# KiCad board 128CR.kicad_pcb (continued)
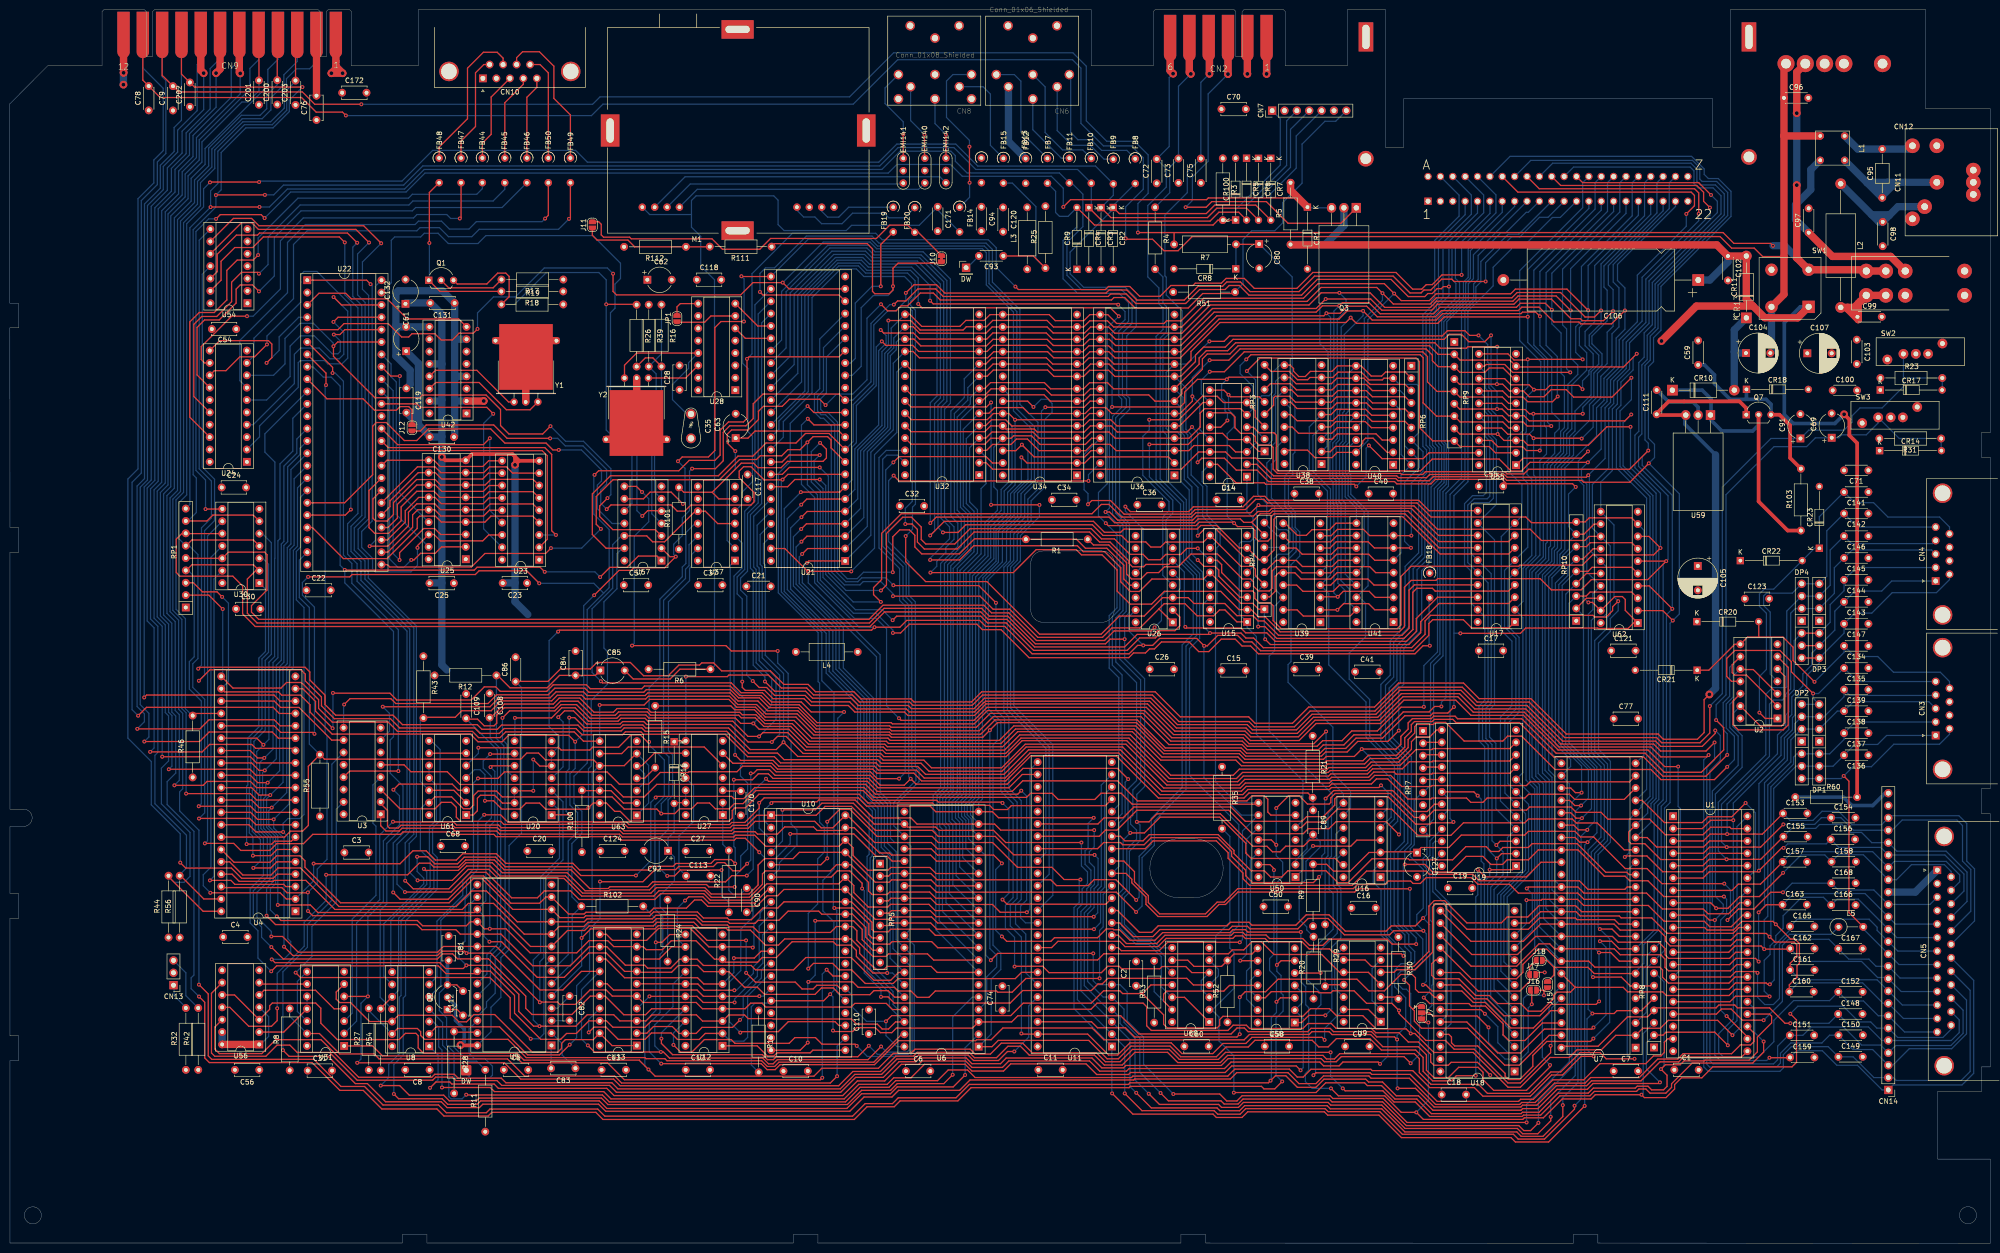
[diagram p0: board, top side]
## Routing (per net, layer and track width the routed paths; a pad name or vN(x,y) marks a point on that pad's centre or on a via; arc(x,y) is an arc through that point) (continued)
A11: length 563.8
  Top w0.25: U62.14 325.07,142.66 322.98,140.57 RP10.6 ; U3.3 80.11,89.24 87.3,89.24 88.63,90.57 90.65,90.57 91.68,89.54 91.68,87.52 92.53,86.67 100.8,86.67 101.43,86.04 126.23,86.04 126.9,85.37 147.9,85.37 148.38,85.84 151.28,85.84 153.35,87.92 U10.1 165.55,87.92 167.38,89.74 172.78,89.74 177.7,84.82 189.38,84.82 190.62,83.57 U6.18 202.32,83.57 206.1,79.79 222.68,79.79 v1(222.7,79.77) ; v1(322.68,92.57) 321.4,92.57 320.46,93.51 318.54,93.51 ; v1(236.25,30.86) 237.85,29.26 248.65,29.26 249.3,28.61 252.16,28.61 253.17,29.62 270.87,29.62 271.45,29.04 281.83,29.04 286.69,24.18 309.78,24.18 310.81,23.15 312.23,23.15 v1(313.81,24.73) ; 223.86,170.44 221.68,170.44 220.4,169.17 v1(206.38,169.17) 205.1,170.44 201.93,170.44 200.68,169.19 185.09,169.19 U32.23
  Bottom w0.25: RP10.6 319.88,138.87 319.88,137.19 318,135.32 318,102.69 322.68,98.02 v1(322.68,92.57) 320.69,90.58 320.69,36.13 313.81,29.25 v1(313.81,24.73) ; v1(236.25,30.86) 231.99,35.12 231.99,42.14 228.75,45.38 228.75,48.08 U11.5 224.47,50.58 221.28,53.77 221.28,67.64 222.6,68.97 222.6,72.82 223.43,73.64 223.43,79.04 v1(222.7,79.77) ; v1(206.38,169.17) 206.38,155.77 204.85,154.24 204.85,149.74 202.03,146.92 202.03,140.62 198.28,136.87 198.28,91.59 196.55,89.87 196.55,88.02 197.4,87.17 197.4,85.07 U6.18
A12: length 475.9
  Top w0.25: U36.2 237.84,161.54 221.93,161.54 220.67,160.28 U34.2 208.84,160.28 v1(207.68,161.44) ; v1(322.58,89.92) 321.28,89.92 320.23,90.97 318.54,90.97 ; v1(316.34,25.97) 316.34,25.15 313.69,22.5 310.58,22.5 309.5,23.58 286.45,23.58 281.65,28.38 271.19,28.38 270.64,28.93 253.26,28.93 252.24,27.91 248.77,27.91 248.16,28.52 236.02,28.52 v1(233.82,30.72) ; v1(222.63,84.87) 203.43,84.87 202.18,86.11 U6.19 186.26,86.11 185,87.37 177.23,87.37 173.55,91.04 166.08,91.04 165.73,90.69 156.63,90.69 v1(156.35,90.42) ; U62.5 332.96,138.84 324.83,138.84 324.01,138.03 RP10.5
  Bottom w0.25: v1(156.35,90.42) 154.75,88.82 154.75,86.93 U10.2 ; U6.19 198.9,86.31 197.23,87.98 197.23,89.69 198.93,91.39 198.93,136.54 202.48,140.09 202.48,146.47 205.45,149.44 205.45,153.99 207.68,156.22 v1(207.68,161.44) ; v1(316.34,25.97) 316.34,29.4 321.38,34.44 321.38,88.72 v1(322.58,89.92) 324.08,91.42 324.08,97.33 318.7,102.71 318.7,135.15 RP10.5 ; v1(222.63,84.87) 222.63,81.42 221.63,80.42 221.63,78.27 222.68,77.22 222.68,73.72 221.9,72.94 221.9,69.17 220.6,67.87 220.6,52.92 225.48,48.04 U11.4 227.93,46.36 227.93,45.15 231,42.08 231,33.54 v1(233.82,30.72)
A13: length 566.1
  Top w0.25: U36.26 221.98,162.82 220.7,161.54 210.28,161.54 v1(207.78,164.04) 206.56,162.82 U34.26 ; 318.54,88.43 320.47,88.43 321.58,87.32 v1(322.75,87.32) ; v1(231.25,30.91) 234.35,27.81 247.84,27.81 248.42,27.23 252.47,27.23 253.51,28.27 270.44,28.27 271.09,27.62 281.65,27.62 286.4,22.87 309.38,22.87 310.28,21.97 314.76,21.97 318.82,26.03 v1(318.82,28.37) ; RP10.4 323.67,137.58 U62.16 ; v1(97.4,88.02) 100.75,88.02 102.2,86.57 126.55,86.57 127.1,86.02 147.78,86.02 148.2,86.44 150.9,86.44 153.85,89.39 v1(153.85,90.47) 154.88,91.49 174.2,91.49 175.9,89.79 188.95,89.79 190.09,88.65 U6.20 201.74,88.65 202.98,87.42 222.5,87.42 v1(222.53,87.39)
  Bottom w0.25: v1(97.4,88.02) 96.1,86.72 96.1,76.82 93.78,74.49 93.78,71.61 88.5,66.33 88.5,53.01 U8.5 ; v1(222.53,87.39) 221.38,86.24 221.38,81.24 220.75,80.62 220.75,77.84 221.95,76.64 221.95,73.67 221.1,72.82 221.1,69.34 219.9,68.14 219.9,51.85 U11.3 229.97,41.78 229.97,32.19 v1(231.25,30.91) ; RP10.4 319.43,133.34 319.43,102.62 324.7,97.34 324.7,89.27 v1(322.75,87.32) 321.93,86.5 321.93,32.98 318.82,29.87 v1(318.82,28.37) ; v1(153.85,90.47) 153.85,85.29 U10.3 ; U6.20 198.9,90.47 199.68,91.24 199.68,108.89 199.78,108.99 199.78,136.69 202.95,139.87 202.95,146.31 206.2,149.56 206.2,154.11 209.03,156.93 209.03,162.79 v1(207.78,164.04)
A14: length 483
  Top w0.25: 318.54,85.89 321.08,85.89 322.05,84.92 v1(323.85,84.92) ; v1(221.45,156.59) 182.55,156.59 v1(181.45,157.69) ; RP10.3 323.61,132.95 324.43,133.77 332.96,133.77 U62.3 ; v1(321.23,28.26) 321.23,27.56 315.07,21.4 309.67,21.4 308.68,22.39 285.89,22.39 281.24,27.04 270.65,27.04 270.04,27.65 253.72,27.65 252.58,26.51 247.98,26.51 247.25,27.24 232.43,27.24 v1(228.89,30.78) ; v1(220,82.32) 204.45,82.32 201.95,84.82 190.78,84.82 190.1,85.49 184.28,85.49 U6.22 177.46,86.11 173.18,90.39 166.73,90.39 165.38,89.04 v1(158.63,89.04)
  Bottom w0.25: v1(158.63,89.04) 158.63,82.62 U10.4 ; U6.22 182.18,87.6 182.18,90.34 186.68,94.84 186.68,97.19 185.9,97.97 185.9,131.77 184.58,133.09 184.58,139.99 180.43,144.14 180.43,156.67 v1(181.45,157.69) ; v1(228.89,30.78) 228.89,40.32 U11.2 219.18,50.03 219.18,68.67 220.15,69.64 220.15,72.79 221.25,73.89 221.25,76.27 220,77.52 v1(220,82.32) ; v1(221.45,156.59) 221.45,157.87 U36.27 ; v1(321.23,28.26) 322.57,29.6 322.57,83.64 v1(323.85,84.92) 323.85,85.17 325.33,86.64 325.33,97.62 320.1,102.84 320.1,131.47 RP10.3
A15: length 454.5
  Top w0.25: v1(323.31,28.21) 315.91,20.81 309.09,20.81 308.19,21.71 285.7,21.71 281.09,26.32 270.56,26.32 269.87,27.01 254.13,27.01 252.96,25.84 247.71,25.84 247.02,26.53 230.56,26.53 v1(226.3,30.79) ; U34.27 201.74,160.28 200.43,161.59 182.58,161.59 v1(181.4,160.42) ; v1(167.83,86.59) 170.35,89.12 172.5,89.12 178.05,83.57 U6.23 189.37,83.57 190.63,82.32 201.78,82.32 206.88,77.22 213.95,77.22 216.45,74.72 v1(219.8,74.72) ; RP10.2 323.67,132.5 U62.18 ; U10.5 166.52,77.76 v1(167.83,79.07) ; v1(323.9,82.39) 322.33,82.39 321.37,83.35 318.54,83.35
  Bottom w0.25: v1(167.83,79.07) v1(167.83,86.59) ; v1(219.8,74.72) 219.55,74.47 219.55,70.02 218.48,68.94 218.48,48.19 U11.1 226.25,30.84 v1(226.3,30.79) ; v1(181.4,160.42) 179.83,158.84 179.83,143.49 184.03,139.29 184.03,132.69 185.18,131.54 185.18,97.72 186.03,96.87 186.03,95.07 181.48,90.52 181.48,85.76 U6.23 ; RP10.2 323.08,128.91 323.08,100.59 325.83,97.84 325.83,84.32 v1(323.9,82.39) 323.31,81.8 v1(323.31,28.21)
AEC: length 435.4
  Top w0.25: v1(107.48,92.94) 103.59,92.94 103.58,92.95 ; U21.12 165.09,168.11 v1(163.83,169.37) ; 111.2,98.03 108.82,98.03 v1(107.48,99.37) ; v1(112.58,125.64) 112.88,125.94 176.93,125.94 v1(177.53,126.54) 182.73,126.54 184.13,127.94 199.1,127.94 200.33,126.72 204.25,126.72 209.88,121.09 229.8,121.09 231.53,122.82 v1(232.7,122.82) 234.63,122.82 236.05,124.24 243.68,124.24 v1(245.2,122.72) 245.83,122.72 247.98,124.87 252.05,124.87 253.38,123.54 254.98,123.54 256.8,121.72 288.15,121.72 291.33,124.89 291.33,127.29 292.13,128.09 298.4,128.09 300.05,126.44 307.79,126.44 U17.1 ; U61.1 95.13,87.97 96,88.84 96,91.42 96.6,92.02 99.53,92.02 101.14,90.41 103.58,90.41 ; U11.9 227.57,60.74 228.2,60.11 235.97,60.11 237.69,61.83 v1(252.51,61.83)
  Bottom w0.25: v1(245.2,122.72) 245.15,122.67 245.15,95.64 252.85,87.94 256.33,87.94 253.06,84.67 253.06,62.38 v1(252.51,61.83) ; 103.58,92.95 103.58,90.41 ; v1(177.53,126.54) 174.38,126.54 165.23,135.69 165.23,153.19 162.53,155.89 162.53,168.07 v1(163.83,169.37) ; U26.15 229.75,128.7 229.75,125.77 v1(232.7,122.82) ; v1(112.58,125.64) 110.73,123.79 110.73,106.12 112.78,104.07 112.78,102.14 111.2,100.57 111.2,98.03 ; v1(107.48,99.37) v1(107.48,92.94)
AUDIO: length 194.4
  Top w0.25: 143.99,117.92 137.57,117.92 135.57,115.92 127.99,115.92 C85.2
  Bottom w0.25: 139.95,211.32 139.95,208.72 141.85,206.82 141.85,200.75 144.68,197.92 144.68,118.61 143.99,117.92 ; 139.95,211.32 139.95,214.21 140.9,215.16 156.84,215.16 157.73,214.27 157.73,209.26 158.96,208.03 171.73,208.03 172.8,209.1 186.69,209.1 C171.1 190.5,212.25 FB14.2 ; 139.95,211.32 131.37,211.32 M1.8
BA: length 471.4
  Top w0.25: v1(183.95,195.22) 185.63,196.89 190.25,196.89 191.95,195.19 225.05,195.19 225.68,195.82 229.33,195.82 231.4,193.74 241.1,193.74 243.95,196.59 248.98,196.59 249.85,197.47 252.65,197.47 254.63,195.49 264.68,195.49 267.85,198.67 284,198.67 287.45,195.22 289.73,195.22 290.33,195.82 291.73,195.82 293.95,198.04 296.05,198.04 296.53,197.57 v1(302.98,197.57) ; U11.21 224.93,89.89 205.6,89.89 204.8,89.09 202,89.09 ; 202,89.09 201.99,89.1 ; 202,89.09 201.15,89.94 189.9,89.94 189.4,90.44 176.18,90.44 174.38,92.24 153.8,92.24 151,89.44 148.88,89.44 148.33,88.89 148.33,87.34 147.73,86.74 127.3,86.74 125.33,88.72 124.2,88.72 122.49,90.43 U63.13 119.77,90.43 v1(118.8,89.47) 118.5,89.17 110.03,89.17 108.78,90.42 105.98,90.42 104.75,89.19 101.03,89.19 99.33,90.89 v1(97.55,90.89) ; U21.10 168.19,166.34 163.35,166.34 161.4,164.39 155.25,164.39 152.55,161.69 149.5,161.69 145.48,157.67 123.33,157.67 119.6,153.94 119.6,145.59 122.42,142.77 126.18,142.77
  Bottom w0.25: U61.4 95.38,97.27 96.55,97.27 97.55,96.27 v1(97.55,90.89) ; v1(183.95,195.22) 183.95,193.62 181.83,191.49 180.23,191.49 177.38,188.64 177.38,176.49 173.15,172.27 173.15,164.68 U21.10 ; v1(118.8,89.47) 118.8,97.47 119.38,98.04 119.38,111.52 122.7,114.84 122.7,121.54 121.98,122.27 121.98,131.77 124.65,134.44 124.65,141.64 125.78,142.77 126.18,142.77 ; 319.1,214.05 315.79,210.74 314.03,210.74 310,206.72 308.28,206.72 302.98,201.42 v1(302.98,197.57)
BUSACK: length 281.5
  Top w0.25: v1(203.8,70.59) 204.75,69.64 225,69.64 U11.13 ; 76.16,48.2 76.16,48.29 U8.10 ; v1(203.8,90.44) 203.63,90.62 190.63,90.62 190.25,90.99 177.2,90.99 175.2,92.99 153.2,92.99 150.53,90.32 148.78,90.32 147.7,89.24 144.85,89.24 143.65,90.44 141.15,90.44 139.95,89.24 137.5,89.24 136.53,88.27 v1(133.75,88.27) 132.83,89.19 126.15,89.19 123.65,91.69 101.1,91.69 99.9,92.89 96.15,92.89 95.23,91.97 95.23,89.99 94.5,89.27 93.13,89.27 90.7,91.69 87.27,91.69 U61.13
  Bottom w0.25: U37.12 139.45,143.49 139.45,139.18 138.73,138.46 138.73,136.57 134.23,132.07 134.23,100.99 135.33,99.89 135.3,99.89 135.3,91.86 133.75,90.31 v1(133.75,88.27) ; U61.13 85.57,90.51 84.3,89.24 84.3,80.74 86.3,78.74 86.3,73.24 79.83,66.77 79.83,51.95 U8.10 ; v1(203.8,70.59) 205.1,71.89 205.1,89.14 v1(203.8,90.44)
CAPLK: length 329.6
  Top w0.25: v1(265.05,63.94) 265.03,63.92 254.18,63.92 253.68,64.42 251.1,64.42 250.5,63.82 236.68,63.82 235.1,62.24 229.98,62.24 227.82,64.4 226.62,64.4 226.45,64.57 225.1,64.57 223.3,62.77 214.48,62.77 213.73,62.02 204.68,62.02 v1(203.68,63.02) ; v1(271.23,31.82) 272.75,30.29 282.25,30.29 285.65,26.89 v1(288.75,26.89) 290.2,25.44 310.6,25.44 310.93,25.77 314.83,25.77 318.7,29.64 324.63,29.64 325.5,30.52 v1(334.98,30.52) 335.58,29.92 340,29.92 341.78,31.69 341.78,32.59 343.18,33.99 347.38,33.99 349.63,36.24 365.88,36.24 366.8,37.17 366.8,45.87 v1(365.53,47.14) ; J7.3 290.54,45.34 v1(291.23,45.34) 290.85,45.34 ; v1(203.68,78.04) 201.98,79.74 190.45,79.74 189.16,81.03 U6.24
  Bottom w0.25: RP8.3 335.33,43.07 335.33,30.87 v1(334.98,30.52) ; CN5.25 398.54,43.96 396.86,42.28 387.57,42.28 CN14.6 383.3,44.19 382.03,45.47 379.63,45.47 376.4,48.69 367.08,48.69 v1(365.53,47.14) ; v1(288.75,26.89) 291.23,29.37 v1(291.23,45.34) ; v1(203.68,78.04) 202.4,76.77 202.4,64.29 v1(203.68,63.02) ; v1(265.05,63.94) 265.05,53.69 266.05,52.69 266.05,48.99 266.65,48.39 266.65,35.54 265.98,34.87 265.98,33.22 267.38,31.82 v1(271.23,31.82)
CASS_MTR: length 221.6
  Top w0.25: v1(40.05,82.14) 45.98,82.14 47.43,80.69 53.4,80.69 54.8,82.09 60.3,82.09 62.2,83.99 80.23,83.99 80.73,84.49 90.33,84.49 90.83,83.99 99.38,83.99 99.85,83.52 124.7,83.52 125.43,82.79 148.73,82.79 149.13,83.19 151,83.19 v1(153.88,80.32) ; U6.25 181.15,78.49 180.15,79.49 177.88,79.49 173.28,84.09 v1(160.23,84.09)
  Bottom w0.25: U30.9 40.6,145.29 40.6,82.69 v1(40.05,82.14) ; v1(153.88,80.32) 155.18,79.02 157.18,79.02 160.23,82.07 v1(160.23,84.09)
CASS_SENSE: length 247.6
  Top w0.25: v1(231.25,70.52) 227.08,74.69 222.6,74.69 221.38,73.47 214.9,73.47 213.7,74.67 190.35,74.67 189.07,75.95 U6.26 180.95,75.95 180.42,75.43 RP5.2
  Top w1.5: v2(238.82,240.26) 238.21,240.87 238.21,244.07 CN2.6
  Bottom w0.25: v1(231.25,70.52) 231.85,71.12 231.85,79.49 234.33,81.97 234.33,87.27 240.68,93.62 240.68,122.92 242.95,125.19 242.95,137.19 240.35,139.79 240.35,151.84 235.33,156.87 235.33,186.29 236.75,187.72 236.75,192.12 235.9,192.97 235.9,196.24 233.63,198.52 233.63,213.17 237.43,216.97 237.43,220.76 C72.2 238.02,225.29 238.02,239.46 v2(238.82,240.26)
  Bottom w1.5: CN2.6 238.21,244.07 238.21,240.87 v2(238.82,240.26)
CASS_WRT: length 191.6
  Top w0.25: U6.27 188.93,73.41 190.23,72.12 227.15,72.12 v1(231.23,68.04)
  Bottom w0.25: R4.2 236.73,198.5 236.73,193.17 237.45,192.44 237.45,187.22 236.18,185.94 236.18,156.99 240.98,152.19 240.98,139.97 243.65,137.29 243.65,124.84 241.48,122.67 241.48,93.24 234.98,86.74 234.98,81.74 232.45,79.22 232.45,69.27 v1(231.23,68.04)
CD4: length 3.9
  Top w0.25: RP7.2 290.32,102.89 U19.14
CD5: length 3.9
  Top w0.25: U19.15 290.32,100.35 290.13,100.16
CD6: length 3.9
  Top w0.25: RP7.4 290.32,97.81 U19.16
CD7: length 3.9
  Top w0.25: RP7.5 290.32,95.27 U19.17
CLRBNK: length 108.2
  Top w0.25: v1(270.13,91.34) 271.78,92.99 283.9,92.99 288.2,88.69 290.98,88.69 292.48,90.19 U19.19 ; v1(268.8,75.27) 267.63,74.09 255.13,74.09 253.73,75.49 253.73,76.62 250.83,79.52 250.83,80.47 247.98,83.32 234.33,83.32 232.88,81.87 228.48,81.87 228.03,82.32 224.58,82.32 223.32,81.06 U11.32
  Bottom w0.25: v1(270.13,91.34) 269.95,91.17 269.95,80.17 269.35,79.57 269.35,75.82 v1(268.8,75.27)
D1MHZ: length 408
  Top w0.25: U12.11 135.48,63.42 133.88,61.82 v1(132.63,61.82) ; v1(360.05,41.44) 360.05,39.27 357.8,37.02 345.4,37.02 341.15,32.77 341.15,32.02 339.98,30.84 336.73,30.84 335.88,31.69 334.45,31.69 333.95,31.19 325.3,31.19 324.4,30.29 318.25,30.29 314.28,26.32 310.75,26.32 310.48,26.04 291.5,26.04 288.53,29.02 284.18,29.02 281.88,31.32 274.15,31.32 v1(273.65,31.82) ; U56.10 46.15,51 U56.3 53.35,48.05 53.35,48.79 53.9,49.34 62.8,49.34 63.85,48.29 63.85,45.22 67.23,41.84 79.95,41.84 81.23,43.12 83.38,43.12 83.85,42.64 83.85,40.12 84.93,39.04 104.15,39.04 105.58,37.62 129.25,37.62 129.25,37.57 v1(131.13,35.69) 132.5,34.32 165.08,34.32 166.7,35.94 178.33,35.94 181.4,39.02 184.98,39.02 185.83,39.87 197.18,39.87 198.18,38.87 201.33,38.87 203.55,41.09 207.95,41.09 209.9,39.14 223.08,39.14 224.93,37.29 227.95,37.29 230.48,39.82 238.05,39.82 240.1,37.77 248.13,37.77 249.58,39.22 v1(271.15,39.22)
  Bottom w0.25: U1.25 358.23,48.11 358.23,43.27 v1(360.05,41.44) ; v1(273.65,31.82) 271.15,34.32 v1(271.15,39.22) ; R102.2 132.63,66.64 v1(132.63,61.82) 132.63,47.84 130.38,45.59 130.38,36.44 v1(131.13,35.69)
GAEC: length 405.6
  Top w0.25: v1(333.55,37.89) 327.73,37.89 326.45,39.17 322.38,39.17 318.4,35.19 316.38,35.19 311.98,30.79 303.35,30.79 301.5,32.64 291.78,32.64 289.38,35.04 289.38,37.92 288.35,38.94 273.03,38.94 271.95,37.87 270.3,37.87 269.58,38.59 250,38.59 248.53,37.12 239.78,37.12 237.68,39.22 230.98,39.22 228.38,36.62 224.7,36.62 222.68,38.64 209.3,38.64 207.48,40.47 204.93,40.47 202.58,38.12 198.05,38.12 196.95,39.22 186.3,39.22 185.53,38.44 181.9,38.44 178.75,35.29 173.1,35.29 170.18,32.37 125.3,32.37 123.95,33.72 104.9,33.72 101.55,37.07 v1(71.33,37.07) ; U61.3 92.1,93.05 90.83,94.32 79.9,94.32 v1(78.75,93.17) ; U31.5 73.51,50.7 v1(73.53,50.72)
  Bottom w0.25: v1(78.75,93.17) 80,91.92 80,85.97 76.7,82.67 76.7,70.19 73.53,67.02 v1(73.53,50.72) 72.1,49.29 72.1,37.84 v1(71.33,37.07) ; v1(333.55,37.89) 332.85,37.89 332.05,38.69 332.05,76.59 333.73,78.27 U7.16
IEC_ATN: length 403.4
  Top w0.25: CN9.9 35.25,240.18 C202.2 37.93,237.5 v1(60.08,237.5) ; CR5.2 252.3,211.79 248.23,211.79 246.4,209.97 224.3,209.97 CR4.1 ; U30.6 49.99,149.58 41.69,149.58 40.49,148.38 RP1.8 ; v1(52.38,215.36) 42.36,215.36 v1(42.32,215.32)
  Bottom w0.25: v1(60.08,237.5) 57.39,234.81 57.39,232.48 54.04,229.13 48.47,229.13 43.4,224.06 43.4,216.4 v1(42.32,215.32) 42.32,212.87 37.65,208.2 37.65,157.86 38.3,157.21 38.3,150.1 36.58,148.38 RP1.8 ; CR4.1 222.03,213.24 FB10.2 219.21,220.58 198.31,220.58 193.81,225.08 182.37,225.08 178.6,221.31 84.8,221.31 80.86,217.37 56.19,217.37 54.18,215.36 v1(52.38,215.36) ; CN7.3 262.13,230.56 262.13,221.42 253.9,213.19 CR5.2
IEC_CLK: length 435.2
  Top w0.25: CR3.1 226.08,210.69 245.88,210.69 247.8,212.62 253.9,212.62 CR6.2 ; v1(41.11,217.93) 41.18,218 v1(51.18,218) ; U4.8 50.55,85.97 49.25,87.27 38.88,87.27 v1(38.85,87.24) ; U30.4 50.02,144.47 37.4,144.47 36.45,143.52
  Bottom w0.25: CR6.2 256.35,214.44 262.93,221.02 262.93,228.82 CN7.4 ; v1(41.11,217.93) 39.79,216.61 39.79,212.9 36.32,209.43 36.32,153.72 34.67,152.07 34.67,144.77 RP1.6 36.81,143.3 38.63,141.48 38.63,120.1 37.57,119.04 37.57,114.19 40.01,111.75 40.01,88.4 v1(38.85,87.24) ; CR3.1 226.55,215.27 FB9.2 222.89,221.28 198.72,221.28 194.21,225.79 182.1,225.79 178.39,222.08 118.58,222.08 116.16,224.5 86.82,224.5 80.51,218.19 51.37,218.19 v1(51.18,218)
IEC_DATA: length 579.2
  Top w0.25: v1(228.88,124.09) 225.9,124.09 224.95,123.14 210.55,123.14 204.88,128.82 201.1,128.82 199.5,130.42 179.48,130.42 176.48,127.42 50.78,127.42 48.78,129.42 48.78,136.44 50.49,138.16 U30.2 50.04,139.37 37.38,139.37 36.45,138.44 ; U4.9 50.68,88.51 49.43,89.77 v1(38.8,89.77) ; CR2.1 227.78,211.52 245.63,211.52 247.35,213.24 255.8,213.24 CR7.2 ; v1(231.38,86.57) 233.88,86.57 235.53,88.22 248.53,88.22 255.2,81.54 258.1,81.54 259.23,80.42 260.8,80.42 261.95,81.57 265.6,81.57 266.78,82.74 266.81,82.74 266.88,82.81 273.78,82.81
  Bottom w0.25: v1(38.8,89.77) 39.33,90.3 39.33,111.38 36.87,113.84 36.87,119.48 37.87,120.48 37.87,136.97 36.62,138.22 RP1.4 ; U60.8 236.23,60.68 234.42,62.49 231.83,62.49 228.83,65.49 228.83,71.07 229.85,72.09 229.85,80.52 232.03,82.69 232.03,85.92 v1(231.38,86.57) 231.38,92.22 232.98,93.82 232.98,115.97 228.88,120.07 v1(228.88,124.09) 228.88,128.54 229.85,129.52 229.85,147.87 227.83,149.89 227.83,169.24 229.9,171.32 229.9,173.57 229.3,174.17 229.3,186.37 231.25,188.32 231.25,194.12 229,196.37 220.45,196.37 217.68,199.14 217.68,203.59 226.53,212.44 CR2.1 226.53,213.16 FB8.2 ; CN7.5 264.1,227.46 264.1,220.87 258.88,215.64 CR7.2
K0: length 447.5
  Top w0.25: v1(348.75,100.29) 348.38,99.92 338.95,99.92 336.93,101.94 318.08,101.94 310.93,109.09 300.45,109.09 297.28,112.27 286,112.27 281.18,107.44 267.95,107.44 264.55,104.04 254.75,104.04 253.6,105.19 239.18,105.19 233.58,110.79 200.43,110.79 198.05,108.42 184.38,108.42 183.68,109.12 173.5,109.12 172.15,110.47 164.45,110.47 163.05,111.87 156.68,111.87 154.98,113.57 151,113.57 150.38,114.19 v1(150.38,115.37)
  Bottom w0.25: U21.26 152.98,192.76 152.98,152.47 150.88,150.37 150.88,138.42 149.33,136.87 149.33,133.39 150.38,132.34 v1(150.38,115.37) ; v1(348.75,100.29) 347.75,99.29 347.75,36.24 348.68,35.32 363.4,35.32 364.1,36.02 364.1,38.74 365.75,40.39 373.3,40.39 C149.1 378.43,38.29 382.69,34.03 386.69,34.03 387.28,33.44 400.6,33.44 402.45,35.29 402.45,51.96 CN5.21
K1: length 435.1
  Top w0.25: v1(152.53,115.49) 153.85,114.17 155.38,114.17 157,112.54 163.28,112.54 164.6,111.22 172.43,111.22 173.88,109.77 184.05,109.77 184.68,109.14 198.03,109.14 199.95,111.07 200.07,111.07 200.34,111.34 234,111.34 239.5,105.84 253.8,105.84 254.9,104.74 264.33,104.74 267.63,108.04 280.83,108.04 285.68,112.89 297.63,112.89 300.75,109.77 311.23,109.77 318.45,102.54 337.48,102.54 338.9,101.12 348.23,101.12 v1(349.98,102.87)
  Bottom w0.25: v1(152.53,115.49) 151.3,116.72 151.3,132.92 150.03,134.19 150.03,136.62 151.45,138.04 151.45,149.89 153.65,152.09 153.65,190.9 U21.27 ; v1(349.98,102.87) 349.98,99.32 348.38,97.72 348.38,36.79 348.98,36.19 362.68,36.19 363.5,37.02 363.5,39.02 365.63,41.14 372,41.14 373.6,42.74 C150.1 378.38,39.79 382.43,39.79 CN14.3 386.56,36.57 389.95,39.97 398.65,39.97 401.7,43.02 401.7,49.94 CN5.22
K2: length 427.7
  Top w0.25: v1(155.03,115.39) 157.03,113.39 163.38,113.39 164.8,111.97 172.73,111.97 174.23,110.47 184.45,110.47 185.1,109.82 197.95,109.82 200.1,111.97 234.28,111.97 239.7,106.54 254.03,106.54 255.1,105.47 264.15,105.47 267.35,108.67 280.45,108.67 285.38,113.59 297.93,113.59 301.05,110.47 311.48,110.47 318.8,103.14 337.85,103.14 338.93,102.07 347.45,102.07 350.13,104.74 v1(350.13,105.34)
  Bottom w0.25: CN5.23 401,47.87 401,43.12 398.5,40.62 387.16,40.62 CN14.4 384.05,40.72 380.18,40.72 376.48,44.42 369.8,44.42 368.1,42.72 C151.1 365.15,42.72 362.93,40.49 362.93,37.69 362.08,36.84 349.68,36.84 349.03,37.49 349.03,97.09 351.15,99.22 351.15,104.32 v1(350.13,105.34) ; U21.28 154.35,189.06 154.35,151.94 152.05,149.64 152.05,138.67 152.63,138.09 152.63,118.74 155.03,116.34 v1(155.03,115.39)
MA0: length 87.4
  Top w0.25: U38.14 263.02,170.23 264.28,168.97 271.63,168.97 272.74,170.08 U40.14 278.44,170.08 279.7,168.82 286.45,168.82 RP6.6 ; RP4.2 258.64,132.78 259.78,133.92 259.78,136.99 260.51,137.73 U39.14 263.82,137.73 265.1,136.44 271.18,136.44 272.49,137.75 U41.14
  Bottom w0.25: U41.14 278.05,139.35 278.05,150.27 274.75,153.57 274.75,157.61 274.23,158.13 274.23,163.82 274.91,164.5 274.91,168.61 U40.14
MA1: length 85.1
  Top w0.25: U38.13 262.95,172.77 264.25,171.47 271.3,171.47 272.45,172.62 U40.13 278.5,172.62 279.75,171.37 286.44,171.37 RP6.5 ; U41.13 272.73,140.29 271.45,139.02 265.38,139.02 264.13,140.27 U39.13 259.96,140.27 RP4.4
  Bottom w0.25: U39.13 262.28,140.27 264.08,142.07 264.08,146.23 263.25,147.06 263.25,149.92 261.75,151.42 261.75,157.59 262.93,158.77 262.93,171.52 U38.13
MA2: length 85.6
  Top w0.25: U41.12 272.62,142.83 271.33,141.54 265.33,141.54 264.06,142.81 U39.12 ; RP6.4 286.46,173.89 279.73,173.89 278.46,175.16 U40.12 272.64,175.16 271.5,174.02 264.43,174.02 263.14,175.31 U38.12
  Bottom w0.25: U38.12 259.85,173.48 259.85,164.54 259.1,163.79 259.1,161.32 258.05,160.27 258.05,152.84 259.68,151.22 259.68,147.42 260.5,146.59 262.15,146.59 262.83,145.92 262.83,144.2 U39.12 261.3,142.94 257.55,142.94
MA3: length 83.8
  Top w0.25: U38.11 262.8,177.85 264.08,176.57 271.33,176.57 272.46,177.7 U40.11 278,177.7 279.28,176.42 286.47,176.42 287.73,175.16 ; U41.11 272.46,145.37 271.18,144.09 262.69,144.09 U39.11
  Bottom w0.25: U39.11 260.23,145.35 RP4.8 258.05,148.52 258.05,151.92 256.2,153.77 256.2,163.57 256.58,163.94 258.2,163.94 259.23,164.97 259.23,173.92 259.85,174.54 259.85,177.07 260.63,177.85 U38.11
MA4: length 88.1
  Top w0.25: RP3.8 258.96,179.09 262.65,179.09 264.35,177.39 266.45,177.39 266.91,177.85 U38.8 271.61,177.85 272.7,178.94 277.45,178.94 279.05,177.34 281.75,177.34 282.11,177.7 U40.8 ; U39.8 271.26,145.35 272.55,146.64 277.9,146.64 279.17,145.37 U41.8 284.08,145.37 v1(287.73,145.37)
  Bottom w0.25: v1(287.73,145.37) 287.73,156.19 290.13,158.59 290.13,162.6 287.73,165 289.23,166.5 289.23,176.09 288.9,176.42 285.28,176.42 U40.8
MA5: length 85.2
  Top w0.25: v1(287.65,142.87) 287.62,142.83 U41.7 280.14,142.83 278.88,144.09 272.3,144.09 271.02,142.81 U39.7 ; RP3.6 258.8,176.57 262.88,176.57 264.14,175.31 U38.7 271.47,175.31 272.58,176.42 278.48,176.42 279.74,175.16 U40.7
  Bottom w0.25: v1(287.65,142.87) 286.35,144.17 286.35,156.34 289.38,159.37 289.38,160.81 RP6.8 286.35,163.84 286.35,174.24 285.44,175.16 U40.7
MA6: length 81.7
  Top w0.25: RP3.4 259.45,172.14 259.45,173.64 259.8,173.99 262.73,173.99 263.95,172.77 U38.6 271.3,172.77 272.4,173.87 278.5,173.87 279.75,172.62 U40.6 ; U41.6 280.23,140.29 278.98,141.54 272.43,141.54 271.15,140.27 U39.6
  Bottom w0.25: U40.6 285.65,170.97 285.65,162 RP6.9 285.6,157.8 285.6,141.82 U41.6
MA7: length 101.1
  Top w0.25: U39.10 261.86,147.89 264.33,145.42 266.18,145.42 267.35,146.59 270.95,146.59 272.27,147.91 U41.10 ; RP6.2 286.46,178.97 282.45,178.97 281.63,178.14 279.5,178.14 277.41,180.24 U40.10 272.57,180.24 271.43,179.09 267,179.09 265.95,178.04 264.63,178.04 263.55,179.12 263.55,179.69 262.86,180.39 U38.10
  Bottom w0.25: U41.10 276.46,151.02 274.15,153.33 274.15,157.4 273.65,157.9 273.65,164.03 274.28,164.66 274.28,170.38 274.79,170.89 274.79,178.65 U40.10 ; U38.10 260.75,180.39 259.23,178.87 259.23,174.79 258.53,174.09 257.03,174.09 256.28,173.34 256.28,166.53 RP3.2
MUX: length 317.1
  Top w0.25: U7.17 331.43,80.81 325.9,86.34 321.57,86.34 320.75,87.16 311.78,87.16 310.99,86.37 298.43,86.37 295.86,83.8 289.07,83.8 283.69,89.18 272.58,89.18 269.92,86.52 266.27,86.52 265.16,85.4 U50.5 ; 235.92,130.31 238.68,127.54 U26.1 ; 235.92,130.31 232.03,126.42 226.28,126.42 224.33,124.47 211.05,124.47 205.28,130.24 201.88,130.24 199.2,132.92 v1(181.33,132.92) ; 235.92,130.31 236.98,131.37 241.28,131.37 243.75,128.89 247.15,128.89 248.35,130.09 249.48,130.09 251.93,127.64 254,127.64 U15.1
  Bottom w0.25: v1(181.33,132.92) 181.33,133.42 178.83,135.92 175.2,135.92 174.53,135.24 171.35,135.24 168.65,137.94 168.65,167.89 167.08,169.47 166.43,169.47 165.2,170.69 165.2,174.47 166.28,175.54 166.28,185.74 U21.21 ; U50.5 265.48,86.93 265.48,94.99 255.93,104.54 255.93,124.64 254.03,126.54 U15.1 252.4,129.24 252.4,143.69 252.85,144.14 254.68,144.14 255.23,144.69 255.23,149.02 253.98,150.27 U14.1
POTX: length 374.5
  Top w0.25: U2.9 353.6,118.84 353.6,117.19 354.09,116.7 356.54,116.7 U2.2 ; v1(352.58,100.32) 348.2,95.94 339.38,95.94 335.4,99.92 316.95,99.92 309.9,106.97 296.9,106.97 296.25,107.62 292.45,107.62 292,107.17 288.38,107.17 287.73,106.52 287.73,105.17 286.38,103.82 286.38,101.92 284.7,100.24 278.93,100.24 277.8,99.12 270.33,99.12 269.95,98.74 253.28,98.74 252.13,99.89 236.55,99.89 230.8,105.64 206.48,105.64 203.5,102.67 180.4,102.67 179.95,103.12 164.25,103.12 160.63,106.74 155,106.74 153.18,108.57 150.38,108.57 149.88,109.07 131.65,109.07 130.88,109.84 124.68,109.84 123.93,109.09 119.93,109.09 117.03,111.99 112.8,111.99 111.58,110.77 101.53,110.77 98.63,107.87
  Bottom w0.25: 98.63,107.87 98.63,103.72 100.78,101.57 100.78,61.09 98.68,58.99 98.68,53.49 U5.24 ; U2.9 353.08,118.31 353.08,112.37 351.75,111.04 351.75,105.49 352.58,104.67 v1(352.58,100.32)
